# Altium PCB RFautoMaTE_ASCII.PcbDoc (part 2 of 2)
Units mm, origin at the board's own origin, x right, y up, seen from the top; angles counter-clockwise.
Board outline 126.62 x 342.77 mm, 2 copper layers (Top Layer, Bottom Layer); 303 components, 21 nets, 745 pads, 8 vias.
Unrouted connection lines stored in the file: 16.
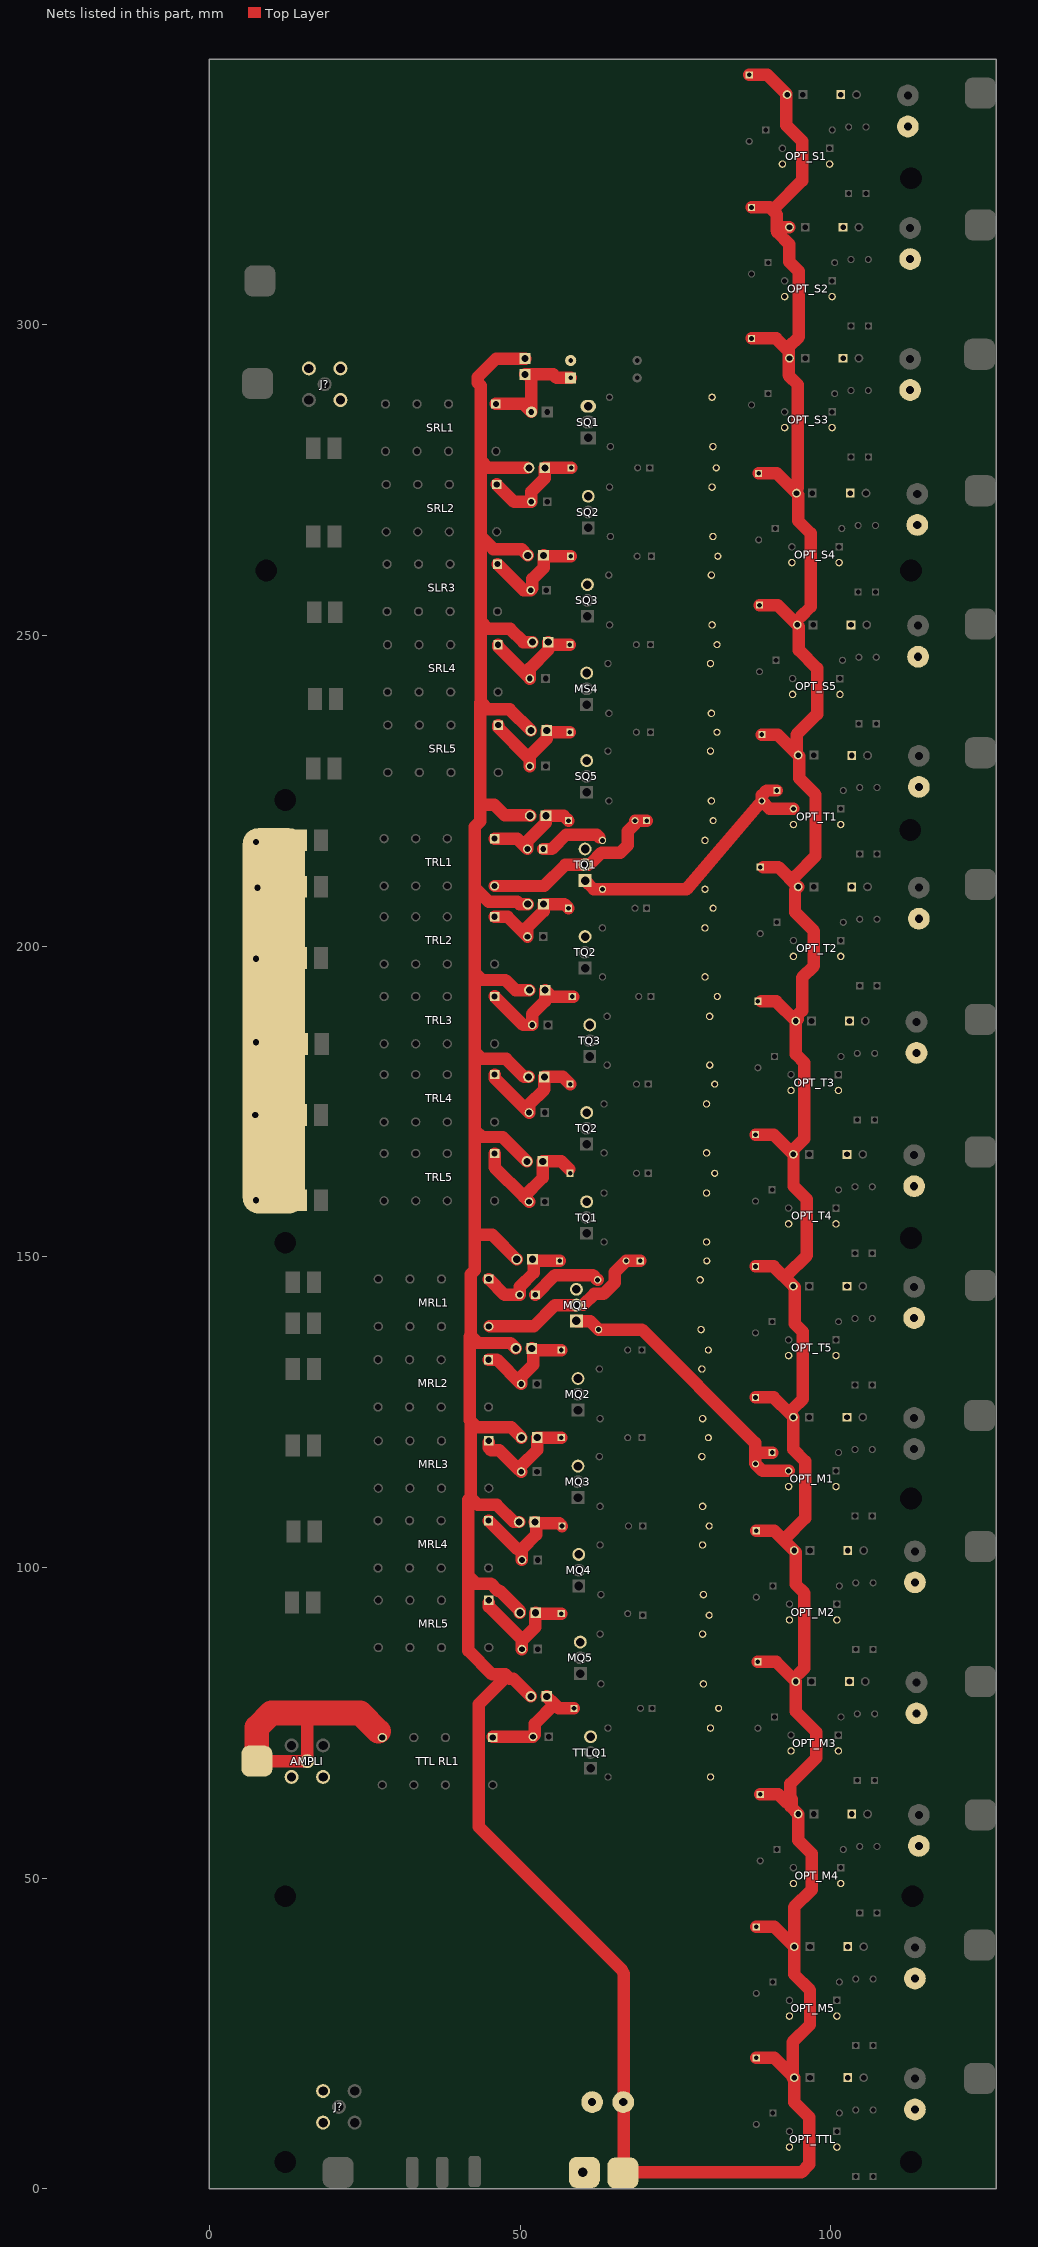
[diagram p2: the nets of this part, all layers, seen from the top]

## Via types
v1: diameter 2, hole 1, Top Layer to Bottom Layer, 6 vias
v2: diameter 4, hole 1.5, Top Layer to Bottom Layer, 2 vias

## Nets (pads, with @x,y where several pads share a name; then routed paths per layer and width w, separated by ;. In a path a pad name is that pad's centre, name@x,y a point inside that pad or via, vN(x,y) a via of type N, cw(c..) or ccw(c..) an arc to the next point about the centre after c; other vN are vias at no path point)
3,3V: 1.1 1.2 2.1 2.2 3.1 3.2 4.1 4.2 5.1 5.2 6.1 6.2 7.1 7.2 8.1 8.2 9.1 9.2 10.1 10.2 10K.1 11.1 11.2 12.1 12.2 13.1 13.2 13_1.1 13_1.2 "GND   5V.1" "LED tuning.2" "OPTO M1.2" "OPTO M2.2" "OPTO M3.2" "OPTO M4.2" "OPTO M5.2" "OPTO S1.2" "OPTO S2.2" "OPTO S3.2" "OPTO S4.2" "OPTO S5.2" "OPTO T1.2" "OPTO T2.2" "OPTO T3.2" "OPTO T4.2" "OPTO T5.2" "OPTO TTL.2" "TTL RL1.1" DM1.1 DM2.1 DM3.1 DM4.1 DM5.1 DMRL1.2 DMRL2.2 DMRL3.2 DMRL4.2 DS1.1 DS2.1 DS3.1 DS4.1 DS5.1 DSRL1.2 DSRL2.2 DSRL3.2 DSRL4.2 DSRL5.2 DT1.1 DT2.1 DT3.1 DT4.1 DT5.1 DTRL1.2 DTRL2.2 DTRL3.2 DTRL4.2 DTRL5.2 DTTL1.1 J2.1@50.8,294.565 J2.1@53.975,276.987 J2.2@50.8,292.025 J2.2@51.435,276.987 LEDmatching.2 MRL1.1 MRL2.1 MRL3.1 MRL4.1 MRL5.1 SLR3.1 SRL1.1 SRL2.1 SRL4.1 SRL5.1 T36_1.1 TRL1.1 TRL2.1 TRL3.1 TRL4.1 TRL5.1 | length 1236.5
  Top Layer w2: MRL4.1@44.912,107.552 49.467,102.997 50.292,102.997 ; MRL2.1@44.912,133.46 46.245,133.46 DMRL2.2@50.165,129.54 50.165,130.683 52.133,132.651 5.1@52.133,134.972 ; MRL5.1@44.958,94.361 44.958,93.726 50.292,88.392 50.292,88.265 ; MRL3.1@44.958,120.142 44.958,119.253 45.339,118.872 46.672,118.872 49.847,115.697 49.911,115.697 DMRL3.2@50.165,115.443 ; MRL1.1@44.958,146.431 47.498,143.891 DMRL1.2@49.911,143.891 49.911,145.161 52.197,147.447 52.197,149.415 52.26,149.352 DM1.1@56.356,149.352 ; 45.593,72.771 52.07,72.771 52.356,73.057 52.356,74.835 55.531,78.01 ; TRL5.1@45.893,166.641 45.893,164.419 50.609,159.702 ; TRL4.1@45.893,179.341 45.893,178.77 DTRL4.2@51.435,173.228 51.435,174.498 53.894,176.957 12.1@53.894,178.96 56.879,178.96 DT4.1@58.039,177.8 ; TRL3.1@45.893,191.914 50.482,187.325 DTRL3.2@51.943,187.325 51.943,189.088 54.021,191.167 11.1@54.021,192.93 55.054,191.897 DT3.1@58.38,191.897 DT3.1@58.547,191.897 ; TRL2.1@45.893,204.741 47.989,204.741 DTRL2.2@51.181,201.549 51.181,203.073 53.767,205.659 10.1@53.767,206.773 57.133,206.773 DT2.1@57.785,206.121 ; TRL1.1@45.893,217.314 49.513,217.314 DTRL1.2@51.181,215.646 51.181,216.916 54.148,219.883 9.1@54.148,220.997 57.006,220.997 DT1.1@57.785,220.218 ; SRL1.1@46.101,287.274 50.546,287.274 51.816,286.004 51.816,291.338 J2.2@51.181,291.973 ; SRL2.1@46.228,274.32 49.022,271.526 DSRL2.2@51.816,271.526 51.816,273.177 53.975,275.336 J2.1@53.975,276.987 ; SLR3.1@46.355,261.493 50.546,257.302 DSRL3.2@51.689,257.302 51.975,257.588 51.975,259.112 53.767,260.904 4.1@53.767,262.907 53.911,262.763 DS3.1@58.134,262.763 ; SRL4.1@46.436,248.522 46.436,248.204 DSRL4.2@51.562,243.078 51.562,244.729 54.529,247.696 1.1@54.529,248.937 54.927,248.539 DS4.1@58.007,248.539 ; SRL5.1@46.482,235.585 46.482,235.204 51.293,230.393 ; 47.244,82.55 47.244,81.915 43.307,77.978 43.307,58.293 66.468,35.132 ; 5.2@49.322,135.272 48.45,136.144 43.209,136.144 42.037,137.316 ; 3.2@49.449,149.623 45.529,153.543 42.672,153.543 ; 7.2@49.83,107.332 49.005,107.332 46.228,110.109 43.209,110.109 42.037,111.281 ; 8.2@49.957,92.727 49.957,93.009 46.669,96.298 46.392,96.298 45.281,97.409 42.926,97.409 41.656,98.679 ; 50.165,116.332 52.751,118.918 6.1@52.751,120.921 52.768,120.904 DM3.1@56.61,120.904 ; 6.2@50.211,120.921 48.577,122.555 43.082,122.555 42.037,123.6 ; LEDmatching.2@50.292,86.868 50.292,88.265 ; DMRL4.2@50.292,101.219 50.292,102.997 ; J2.2@50.8,292.025 55.32,292.025 55.88,291.465 DS1.1@58.134,291.465 ; J2.1@50.8,294.565 46.153,294.565 43.18,291.592 43.18,290.703 43.688,290.195 43.688,278.159 ; 13.2@51.1,165.371 47.18,169.291 43.844,169.291 42.672,170.463 ; J2.2@51.181,276.987 44.86,276.987 43.688,278.159 ; 10.2@51.227,206.773 49.894,206.773 49.53,207.137 44.958,207.137 42.672,209.423 ; 4.2@51.227,262.907 50.228,263.906 45.707,263.906 43.688,265.925 ; 12.2@51.354,178.96 50.656,178.96 47.752,181.864 43.844,181.864 42.672,183.036 ; DTRL5.2@51.435,158.877 50.609,159.702 ; 11.2@51.481,192.93 49.259,192.93 47.625,194.564 43.844,194.564 42.672,195.736 ; DSRL5.2@51.562,228.981 51.562,230.124 51.293,230.393 ; 9.2@51.608,220.997 51.498,221.107 47.498,221.107 45.847,222.758 43.561,222.758 ; 13_1.2@51.735,79.265 48.926,82.074 48.342,82.074 47.612,82.804 45.496,82.804 41.656,86.644 41.656,98.679 ; 2.2@51.735,234.713 48.323,238.125 44.86,238.125 43.688,239.297 ; 5.1@51.862,135.272 52.133,135.001 5.1@52.133,134.972 ; 1.2@51.989,248.937 50.529,248.937 48.387,251.079 44.86,251.079 43.688,252.251 ; 5.1@51.998,134.972 5.1@52.133,134.972 ; 7.1@52.37,107.332 7.1@52.578,107.124 ; J2.1@54.229,276.987 DS2.1@58.212,276.987 DS2.1@58.261,276.987 ; 13_1.1@54.275,79.265 55.531,78.01 ; DM5.1@56.61,92.583 52.641,92.583 8.1@52.497,92.727 52.451,92.681 52.451,90.424 50.292,88.265 ; DM2.1@56.61,135.001 56.581,134.972 5.1@52.133,134.972 ; DM4.1@56.737,106.68 56.292,107.124 7.1@52.578,107.124 ; 57.912,164.084 56.625,165.371 13.1@53.64,165.371 53.64,162.733 50.609,159.702 ; DS5.1@58.007,234.442 54.546,234.442 2.1@54.275,234.713 54.275,233.374 51.293,230.393 ; DTTL1.1@58.674,77.343 56.197,77.343 55.531,78.01 ; T36_1.1@66.675,2.667 95.25,2.667 96.52,3.937 96.52,11.557 94.107,13.97 94.107,17.907 ; T36_1.1@66.675,4.318 66.675,13.97 66.675,34.671 ; 10K.1@86.868,340.233 89.789,340.233 92.837,337.185 92.837,332.105 95.377,329.565 95.377,323.215 91.059,318.897 ; 10K.1@87.249,297.815 91.186,297.815 92.964,296.037 ; 10K.1@87.249,318.897 90.17,318.897 91.313,317.754 91.313,315.214 ; 10K.1@87.884,127.381 90.805,127.381 93.472,124.714 ; 10K.1@87.884,148.463 90.805,148.463 93.98,145.288 94.17,145.097 94.17,139.255 95.504,137.922 95.504,127.127 93.853,125.476 ; 10K.1@87.884,169.672 90.805,169.672 93.98,166.497 93.999,166.478 93.999,161.398 96.139,159.258 96.139,150.241 92.964,147.066 ; 10K.1@88.011,21.082 90.932,21.082 93.853,18.161 ; 10K.1@88.011,42.164 90.932,42.164 94.107,38.989 ; 10K.1@88.011,105.918 90.932,105.918 94.107,102.743 94.361,102.489 94.361,97.282 95.758,95.885 95.758,83.82 94.805,82.867 ; 10K.1@88.265,84.836 91.186,84.836 94.361,81.661 94.361,76.835 97.663,73.533 97.663,69.368 93.504,65.209 93.504,62.947 93.726,62.725 93.726,61.849 ; 10K.1@88.392,276.098 91.313,276.098 94.488,272.923 94.742,272.669 94.742,268.478 96.774,266.446 96.774,254.635 95.123,252.984 ; 10K.1@88.519,254.889 91.44,254.889 94.615,251.714 94.869,251.46 94.869,247.65 97.79,244.729 97.79,237.363 94.488,234.061 94.488,231.394 ; 10K.1@88.646,63.5 91.567,63.5 92.812,62.255 ; 10K.1@88.773,191.135 91.186,191.135 94.361,187.96 ; 10K.1@88.9,234.061 91.44,234.061 94.742,230.759 94.932,230.569 94.932,227.012 97.536,224.409 97.536,214.503 94.361,211.328 ; 10K.1@89.154,212.725 91.567,212.725 94.742,209.55 94.234,209.042 94.234,205.486 97.282,202.438 97.282,199.054 ; 91.383,314.909 93.345,312.947 93.345,310.134 94.869,308.61 94.869,298.069 93.218,296.418 93.218,291.973 ; 91.567,315.722 93.345,315.722 ; 92.71,104.775 95.885,107.95 95.885,117.094 93.98,118.999 93.98,124.206 ; 93.345,291.719 94.678,290.385 94.678,273.748 ; 93.472,61.595 94.742,60.325 94.742,56.134 96.901,53.975 96.901,48.133 94.107,45.339 94.107,38.989 ; 93.853,17.907 93.853,18.161 ; 93.98,18.034 93.853,18.161 ; 94.17,167.45 95.758,169.037 95.758,181.229 94.38,182.607 94.38,187.941 94.361,187.96 ; 97.282,198.755 97.282,196.85 95.377,194.945 95.377,189.625 94.647,188.895 94.647,188.246 94.361,187.96 ; 41.656,98.679 41.656,110.9 42.037,111.281 ; 42.037,111.281 42.037,123.6 ; 42.037,123.6 41.91,123.727 41.91,137.189 42.037,137.316 ; 42.037,137.316 42.037,147.193 42.672,147.828 42.672,153.543 ; 42.672,153.543 42.672,170.463 ; 42.672,170.463 42.672,183.036 ; 42.672,183.036 42.672,195.736 ; 42.672,195.736 42.672,209.423 ; 42.672,209.423 42.672,219.202 43.561,220.091 43.561,222.758 ; 43.561,222.758 43.561,239.17 43.688,239.297 ; 43.688,239.297 43.688,252.251 ; 43.688,252.251 43.688,265.925 ; 43.688,265.925 43.688,278.159 ; 50.292,102.997 52.578,105.283 7.1@52.578,107.124 ; 93.853,18.161 93.853,23.622 96.647,26.416 96.647,32.004 94.107,34.544 94.107,38.989
+COIL: 
Ampli: "TTL RL1.8" AMPLI.1 T39.1 | length 40.4
  Top Layer w2: T39.1@9.525,68.834 AMPLI.1@15.748,68.834 15.748,75.819
  Top Layer w4: T39.1@7.62,68.834 7.62,74.238 9.963,76.581 24.257,76.581 27.178,73.66
DC-GND: 
GND: 1K2M.2 1K2S.2 1k2T.2 1k2TTL.2 "GND   5V.2" "LED tuning?.1" "PWM M2.2" "PWM M3.2" "PWM M4.2" "PWM M5.2" "PWM S1.2" "PWM S2.2" "PWM S3.2" "PWM S4.2" "PWM S5.2" "PWM T1.2" "PWM T2.2" "PWM T3.2" "PWM T4.2" "PWM T5.2" "PWM TTL.2" AMPLI.2 AMPLI.3 CT1.1 CT2.1 CT3.1 CT4.1 CT5.1 DMQ1.2 DMQ2.2 DMQ3.2 DMQ4.2 DMQ5.2 DSQ1.2 DSQ2.2 DSQ3.2 DSQ4.2 DSQ5.2 DTQ1.2 DTQ2.2 DTQ3.2 DTQ4.2 DTQ5.2 DTTLQ1.2 J2.1@14.556,217.043 J?.3@21.082,287.909 J?.4 J?.5 M100K.1 MQ1.3 MQ2.3 MQ3.3 MQ4.3 MQ5.3 MS4.3 OPT_M1.2 OPT_M1.3 OPT_M2.2 OPT_M2.3 OPT_M3.2 OPT_M3.3 OPT_M4.2 OPT_M4.3 OPT_M5.2 OPT_M5.3 OPT_S1.2 OPT_S1.3 OPT_S2.2 OPT_S2.3 OPT_S3.2 OPT_S3.3 OPT_S4.2 OPT_S4.3 OPT_S5.2 OPT_S5.3 OPT_T1.2 OPT_T1.3 OPT_T2.2 OPT_T2.3 OPT_T3.2 OPT_T3.3 OPT_T4.2 OPT_T4.3 OPT_T5.2 OPT_T5.3 OPT_TTL.2 OPT_TTL.3 pad.8@112.776,218.694 pad.8@112.903,4.318 pad.8@112.903,111.125 pad.8@112.903,153.035 pad.8@112.903,260.477 pad.8@113.157,47.117 S100K.1 SQ1.3 SQ2.3 SQ3.3 SQ5.3 T17.1 T38.1 T100K.1 TQ1.3 TQ2.3 TQ3.3 TTL100K.1 TTLQ1.3
  other v1: 7.493,159.131 7.366,172.847 7.493,184.531 7.493,197.993 7.747,209.423 7.493,216.789
  other v2: 60.071,2.667
MQ1D: DM1.2 DMQ1.1 MQ1.2 MRL1.16 | length 28.5
  Top Layer w2: MRL1.16@45.085,138.811 52.197,138.811 55.613,142.227 59.042,142.227 MQ1.2@59.055,142.24 ; 60.139,142.253 61.936,144.05 63.418,144.05 65.237,145.869 65.237,147.533 DM1.2@67.056,149.352 DMQ1.1@69.342,149.352
Net1K2M_1: 1K2M.1@62.484,146.304 DMRL1.1 | length 11.7
  Top Layer w2: DMRL1.1@52.451,143.891 55.629,147.069 61.719,147.069 1K2M.1@62.484,146.304
Net1k2T_1: 1k2T.1@63.246,217.043 DTRL1.1 | length 10.1
  Top Layer w2: DTRL1.1@53.721,215.646 55.118,215.646 57.407,217.935 62.354,217.935 62.738,217.551
Net1k5M_1: 
Net1k5T_1: 
Net4K7M_1: 10K.2@87.884,116.681 510R.1@90.551,118.504 M100K.2@62.621,138.303 MQ1.1 OPT_M1.4 | length 48.5
  Top Layer w2: MQ1.1@59.055,139.7 59.09,139.665 61.259,139.665 M100K.2@62.621,138.303 69.596,138.303 87.82,120.078 87.82,116.776 89.027,115.57 OPT_M1.4@93.218,115.57 ; 88.125,118.504 510R.1@90.551,118.504
Net4K7T_1: 10K.2@88.9,223.361 510R.1@91.313,225.057 OPT_T1.4 T100K.2@63.256,209.169 TQ1.1@60.452,210.566 | length 44.6
  Top Layer w2: TQ1.1@60.452,210.566 61.849,209.169 T100K.2@63.256,209.169 76.581,209.169 ; 76.781,209.169 10K.2@88.9,223.361 ; 510R.1@91.313,225.057 89.675,225.057 88.9,224.282 10K.2@88.9,223.361 ; OPT_T1.4@93.98,222.123 90.138,222.123 10K.2@88.9,223.361
Net?_1: 
Net?_2: 
NetCM1_2: 
NetCM?_2: 
NetCT1_2: 
NetCT?_2: 
PWMMQ1: 
PWMTQ1: 
TQ1D: DT1.2 DTQ1.1 TQ1.2@60.452,213.106 TRL1.16 | length 30.4
  Top Layer w2: TRL1.16@45.893,209.694 53.865,209.694 57.264,213.093 60.439,213.093 60.465,213.119 60.973,213.119 cw(c62.152,211.504) 61.4,213.357 63.113,215.07 66.138,215.07 66.724,215.656 67.31,216.242 67.31,218.485 68.485,219.66 DT1.2@68.485,220.218 DTQ1.1@70.358,220.218
pads on no net: 1K2M.1@62.738,117.856 1K2M.1@62.738,131.953 1K2M.1@62.865,89.281 1K2M.1@62.865,103.632 1K2S.1 1k2T.1@63.5,160.274 1k2T.1@63.5,174.625 1k2T.1@63.246,202.946 1k2T.1@64.008,188.722 1k2TTL.1 10K.2@86.868,329.533 10K.2@87.249,287.115 10K.2@87.249,308.197 10K.2@87.884,137.763 10K.2@87.884,158.972 10K.2@88.011,10.382 10K.2@88.011,31.464 10K.2@88.011,95.218 10K.2@88.265,74.136 10K.2@88.265,180.435 10K.2@88.392,265.398 10K.2@88.519,244.189 10K.2@88.646,52.8 10K.2@88.646,202.025 510R.1@89.535,331.356 510R.1@89.916,288.938 510R.1@89.916,310.02 510R.1@90.551,139.586 510R.1@90.551,160.795 510R.1@90.678,12.205 510R.1@90.678,33.287 510R.1@90.678,97.041 510R.1@90.932,75.959 510R.1@90.932,182.258 510R.1@91.059,267.221 510R.1@91.186,246.012 510R.1@91.313,54.623 510R.1@91.313,203.848 510R.1@102.87,321.151 510R.1@103.251,278.733 510R.1@103.251,299.815 510R.1@103.886,108.299 510R.1@103.886,129.381 510R.1@103.886,150.59 510R.1@104.013,2 510R.1@104.013,23.082 510R.1@104.013,86.836 510R.1@104.267,65.754 510R.1@104.267,172.053 510R.1@104.394,257.016 510R.1@104.521,235.807 510R.1@104.648,44.418 510R.1@104.648,193.643 510R.1@104.648,214.852 510R.1@105.664,321.151 510R.1@106.045,278.733 510R.1@106.045,299.815 510R.1@106.68,108.299 510R.1@106.68,129.381 510R.1@106.68,150.59 510R.1@106.807,2 510R.1@106.807,23.082 510R.1@106.807,86.836 510R.1@107.061,65.754 510R.1@107.061,172.053 510R.1@107.188,257.016 510R.1@107.315,235.807 510R.1@107.442,44.418 510R.1@107.442,193.643 510R.1@107.442,214.852 510R.2 "LED tuning.1" "LED tuning?.2" "OPTO M1.1" "OPTO M2.1" "OPTO M3.1" "OPTO M4.1" "OPTO M5.1" "OPTO S1.1" "OPTO S2.1" "OPTO S3.1" "OPTO S4.1" "OPTO S5.1" "OPTO T1.1" "OPTO T2.1" "OPTO T3.1" "OPTO T4.1" "OPTO T5.1" "OPTO TTL.1" "PWM M1.1" "PWM M1.2" "PWM M2.1" "PWM M3.1" "PWM M4.1" "PWM M5.1" "PWM S1.1" "PWM S2.1" "PWM S3.1" "PWM S4.1" "PWM S5.1" "PWM T1.1" "PWM T2.1" "PWM T3.1" "PWM T4.1" "PWM T5.1" "PWM TTL.1" "TTL RL1.4" "TTL RL1.6" "TTL RL1.9" "TTL RL1.11" "TTL RL1.13" "TTL RL1.16" AMPLI.4 AMPLI.5 CM1.1 CM1.2 CM2.1 CM2.2 CM3.1 CM3.2 CM4.1 CM4.2 CM5.1 CM5.2 CS1.1 CS1.2 CS2.1 CS2.2 CS3.1 CS3.2 CS4.1 CS4.2 CS5.1 CS5.2 CT1.2 CT2.2 CT3.2 CT4.2 CT5.2 DM2.2 DM3.2 DM4.2 DM5.2 DMQ2.1 DMQ3.1 DMQ4.1 DMQ5.1 DMRL2.1 DMRL3.1 DMRL4.1 DS1.2 DS2.2 DS3.2 DS4.2 DS5.2 DSQ1.1 DSQ2.1 DSQ3.1 DSQ4.1 DSQ5.1 DSRL1.1 DSRL2.1 DSRL3.1 DSRL4.1 DSRL5.1 DT2.2 DT3.2 DT4.2 DT5.2 DTQ2.1 DTQ3.1 DTQ4.1 DTQ5.1 DTRL2.1 DTRL3.1 DTRL4.1 DTRL5.1 DTTL1.2 DTTLQ1.1 J2.1@13.413,145.923 J2.2@16.813,145.923 J2.2@17.956,217.043 J?.1 J?.2 J?.3@23.368,15.748 LEDmatching.1 M100K.2@62.875,109.855 M100K.2@62.875,123.952 M100K.2@63.002,81.28 M100K.2@63.002,95.631 MQ2.1 MQ2.2 MQ3.1 MQ3.2 MQ4.1 MQ4.2 MQ5.1 MQ5.2 MRL1.4 MRL1.6 MRL1.8 MRL1.9 MRL1.11 MRL1.13 MRL2.4 MRL2.6 MRL2.8 MRL2.9 MRL2.11 MRL2.13 MRL2.16 MRL3.4 MRL3.6 MRL3.8 MRL3.9 MRL3.11 MRL3.13 MRL3.16 MRL4.4 MRL4.6 MRL4.8 MRL4.9 MRL4.11 MRL4.13 MRL4.16 MRL5.4 MRL5.6 MRL5.8 MRL5.9 MRL5.11 MRL5.13 MRL5.16 MS4.1 MS4.2 OPT_M1.1 OPT_M2.1 OPT_M2.4 OPT_M3.1 OPT_M3.4 OPT_M4.1 OPT_M4.4 OPT_M5.1 OPT_M5.4 OPT_S1.1 OPT_S1.4 OPT_S2.1 OPT_S2.4 OPT_S3.1 OPT_S3.4 OPT_S4.1 OPT_S4.4 OPT_S5.1 OPT_S5.4 OPT_T1.1 OPT_T2.1 OPT_T2.4 OPT_T3.1 OPT_T3.4 OPT_T4.1 OPT_T4.4 OPT_T5.1 OPT_T5.4 OPT_TTL.1 OPT_TTL.4 S100K.2 SLR3.4 SLR3.6 SLR3.8 SLR3.9 SLR3.11 SLR3.13 SLR3.16 SQ1.1 SQ1.2 SQ2.1 SQ2.2 SQ3.1 SQ3.2 SQ5.1 SQ5.2 SRL1.4 SRL1.6 SRL1.8 SRL1.9 SRL1.11 SRL1.13 SRL1.16 SRL2.4 SRL2.6 SRL2.8 SRL2.9 SRL2.11 SRL2.13 SRL2.16 SRL4.4 SRL4.6 SRL4.8 SRL4.9 SRL4.11 SRL4.13 SRL4.16 SRL5.4 SRL5.6 SRL5.8 SRL5.9 SRL5.11 SRL5.13 SRL5.16 T19.1 T20.1 T21.1 T22.1 T23.1 T24.1 T25.1 T26.1 T27.1 T28.1 T29.1 T30.1 T31.1 T32.1 T33.1 T34.1 T35.1 T37.1 T39_1.1 T39_3.1 T39_4.1 T39_5.1 T100K.2@63.51,152.4 T100K.2@63.51,166.751 T100K.2@63.256,195.072 T100K.2@64.018,180.848 TQ1.1@60.706,153.797 TQ1.2@60.706,156.337 TQ2.1 TQ2.2 TQ3.1 TQ3.2 TRL1.4 TRL1.6 TRL1.8 TRL1.9 TRL1.11 TRL1.13 TRL2.4 TRL2.6 TRL2.8 TRL2.9 TRL2.11 TRL2.13 TRL2.16 TRL3.4 TRL3.6 TRL3.8 TRL3.9 TRL3.11 TRL3.13 TRL3.16 TRL4.4 TRL4.6 TRL4.8 TRL4.9 TRL4.11 TRL4.13 TRL4.16 TRL5.4 TRL5.6 TRL5.8 TRL5.9 TRL5.11 TRL5.13 TRL5.16 TTL100K.2 TTLQ1.1 TTLQ1.2
copper on no net: | length 3125.2
  Top Layer w2: 14.044,290.449 18.542,290.449 ; 20.828,9.525 20.828,13.208 ; 20.828,17.705 20.828,13.208 ; 21.082,26.035 26.035,21.082 26.035,19.431 26.035,14.224 25.019,13.208 20.828,13.208 ; 27.813,65.024 27.813,63.627 32.639,58.801 32.639,4.826 ; 32.893,65.024 32.893,62.865 37.465,58.293 37.465,4.445 ; 37.973,65.024 37.973,64.008 40.386,61.595 40.386,50.292 42.672,48.006 42.672,3.683 ; 44.912,99.932 45.945,99.932 47.325,98.552 54.991,98.552 55.994,99.555 59.423,99.555 59.436,99.568 ; 44.912,125.84 53.784,125.84 ; 44.958,112.776 47.117,112.776 48.15,111.743 53.784,111.743 ; 45.212,86.995 46.609,86.995 49.276,84.328 55.072,84.328 56.088,85.344 59.944,85.344 ; 45.593,65.024 46.355,65.024 50.038,68.707 56.261,68.707 56.515,68.961 57.772,70.218 58.153,70.218 61.328,70.218 61.341,70.231 61.354,70.244 62.161,70.244 64.18,72.263 65.856,72.263 69.374,75.781 69.374,77.343 71.247,77.343 ; 45.893,159.021 47.481,159.021 50.292,156.21 57.023,156.21 57.137,156.324 60.693,156.324 60.706,156.337 60.719,156.35 61.526,156.35 63.545,158.369 66.802,158.369 ; 45.893,171.721 47.989,171.721 48.006,171.704 50.038,169.672 55.626,169.672 56.629,170.675 57.518,170.675 60.693,170.675 60.706,170.688 60.719,170.701 61.526,170.701 63.367,172.542 63.418,172.593 66.548,172.593 ; 45.893,197.121 46.164,196.85 55.118,196.85 57.264,198.996 60.439,198.996 60.452,199.009 60.465,199.022 61.272,199.022 63.291,201.041 65.659,201.041 68.485,203.867 68.485,206.121 70.358,206.121 ; 46.101,184.404 57.658,184.404 58.026,184.772 61.201,184.772 61.214,184.785 61.227,184.798 61.989,184.798 63.956,186.765 68.075,186.765 69.247,187.937 69.247,191.897 ; 46.101,279.654 49.022,282.575 55.753,282.575 57.518,284.34 60.947,284.34 60.96,284.353 ; 46.228,266.573 54.149,266.573 57.437,269.862 60.947,269.862 60.96,269.875 60.973,269.888 61.671,269.888 63.404,271.622 ; 46.404,240.87 46.736,240.538 54.751,240.538 55.513,241.3 56.769,241.3 56.883,241.414 60.693,241.414 ; 46.482,227.965 48.359,227.965 51.534,224.79 53.594,224.79 54.737,224.79 57.264,227.317 60.693,227.317 60.706,227.33 60.719,227.343 61.417,227.343 63.277,229.204 ; 46.609,253.746 52.578,253.746 55.118,253.746 55.499,253.746 57.404,255.651 58.767,255.651 ; 52.705,115.443 54.102,115.443 57.28,118.621 61.973,118.621 62.738,117.856 ; 52.705,129.54 55.883,132.718 61.973,132.718 62.738,131.953 ; 52.832,86.868 54.737,86.868 59.179,91.31 60.836,91.31 62.42,89.725 ; 52.832,101.219 54.229,101.219 57.407,104.397 62.1,104.397 62.865,103.632 ; 53.721,201.549 55.118,201.549 57.407,203.838 62.354,203.838 62.738,203.454 ; 53.784,111.697 55.867,113.779 59.296,113.779 59.309,113.792 ; 53.784,125.793 55.867,127.876 59.296,127.876 59.309,127.889 ; 53.975,158.877 55.372,158.877 57.661,161.166 62.608,161.166 62.992,160.782 ; 53.975,173.228 55.372,173.228 57.661,175.517 62.608,175.517 62.992,175.133 ; 54.102,228.981 57.28,232.159 63.37,232.159 64.135,231.394 ; 54.102,243.078 57.28,246.256 63.37,246.256 64.135,245.491 ; 54.229,257.302 57.407,260.48 63.497,260.48 64.262,259.715 ; 54.356,271.526 57.534,274.704 63.624,274.704 64.389,273.939 ; 54.356,286.004 57.534,289.182 63.624,289.182 64.389,288.417 ; 54.483,187.325 55.88,187.325 58.169,189.614 63.116,189.614 63.5,189.23 ; 54.61,72.771 56.007,72.771 58.296,75.06 63.243,75.06 63.627,74.676 ; 59.055,255.651 60.833,255.651 ; 59.309,111.252 59.344,111.217 61.513,111.217 62.875,109.855 ; 59.309,125.349 59.344,125.314 61.513,125.314 62.875,123.952 69.977,123.952 76.581,117.348 76.581,103.124 82.763,96.942 88.011,96.942 ; 59.436,97.028 59.471,96.993 61.64,96.993 63.002,95.631 69.723,95.631 72.898,92.456 72.898,90.424 72.898,84.582 77.978,79.502 77.978,62.611 88.582,52.006 ; 59.722,85.471 59.722,85.484 60.401,85.484 62.038,87.122 65.63,87.122 66.802,88.294 66.802,92.075 ; 59.944,82.931 60.836,82.931 62.487,81.28 63.002,81.28 70.993,81.28 73.787,78.486 73.787,45.537 88.011,31.313 ; 60.393,113.805 62.19,115.602 63.672,115.602 65.491,117.421 65.491,119.085 67.31,120.904 69.596,120.904 ; 60.393,127.902 62.19,129.699 63.672,129.699 65.491,131.518 65.491,133.182 67.31,135.001 69.596,135.001 ; 60.452,196.469 61.849,195.072 76.2,195.072 78.994,197.866 84.836,197.866 87.693,200.724 ; 60.452,224.79 62.875,224.79 64.145,223.52 77.724,223.52 86.487,232.283 86.487,240.919 88.201,242.633 ; 60.52,99.581 62.317,101.378 63.799,101.378 65.618,103.197 65.618,104.861 67.437,106.68 69.723,106.68 ; 60.706,153.797 62.103,152.4 63.51,152.4 69.596,152.4 84.709,137.287 87.408,137.287 87.884,137.763 ; 60.706,168.148 62.103,166.751 70.485,166.751 79.438,157.797 88.646,157.797 ; 60.706,224.79 60.741,224.755 ; 60.706,238.887 60.741,238.852 62.91,238.852 64.272,237.49 77.597,237.49 85.852,245.745 85.852,261.62 88.074,263.842 ; 60.82,255.638 60.833,255.651 ; 60.833,253.111 60.868,253.076 63.037,253.076 64.018,252.095 67.691,252.095 78.486,262.89 78.486,267.335 85.979,274.828 85.979,284.705 87.151,285.877 92.329,285.877 ; 60.96,267.335 60.995,267.3 62.646,267.3 63.246,266.7 63.764,266.7 64.526,265.938 72.898,265.938 77.216,270.256 77.216,292.1 77.216,296.958 87.249,306.991 ; 60.96,281.813 60.995,281.778 63.164,281.778 64.526,280.416 64.135,280.416 72.009,288.29 72.009,310.261 86.868,325.12 ; 61.214,182.245 62.611,180.848 64.018,180.848 77.216,180.848 79.184,182.816 84.264,182.816 87.471,179.61 88.265,179.61 ; 61.341,67.691 63.441,65.59 69.723,59.309 69.723,41.529 73.279,37.973 84.582,26.67 84.582,21.209 88.011,17.78 88.011,10.382 ; 61.868,255.778 60.96,255.778 60.833,255.651 ; 62.03,284.407 63.786,286.163 65.323,286.163 67.142,287.982 67.142,289.773 68.834,291.465 68.834,294.259 ; 62.674,256.603 63.532,257.461 65.196,257.461 67.015,259.28 67.015,260.944 68.834,262.763 71.12,262.763 ; 62.875,109.871 69.961,109.871 74.041,105.791 74.041,96.52 76.327,94.234 76.327,88.138 88.011,76.454 ; 63.373,243.332 65.716,243.332 66.888,244.504 66.888,246.72 68.707,248.539 70.993,248.539 ; 63.587,229.14 65.069,229.14 66.888,230.959 66.888,232.623 68.707,234.442 70.993,234.442 ; 63.841,271.685 65.323,271.685 67.142,273.504 67.142,275.168 68.961,276.987 70.358,276.987 ; 66.762,172.807 68.739,174.784 68.739,177.8 70.612,177.8 ; 67.041,158.481 68.739,160.179 68.739,163.449 70.612,163.449 ; 67.437,92.329 69.723,92.329 ; 69.596,191.897 71.12,191.897 ; 86.868,325.374 86.868,330.835 87.389,331.356 89.535,331.356 ; 87.122,325.247 89.979,328.104 91.757,328.104 ; 87.249,287.115 87.249,288.417 87.77,288.938 89.916,288.938 ; 87.884,158.972 87.884,160.274 88.405,160.795 90.551,160.795 ; 88.011,31.464 88.855,31.464 90.678,33.287 ; 88.074,74.295 88.074,76.136 ; 88.265,180.435 88.265,181.737 88.786,182.258 90.932,182.258 ; 88.392,157.861 93.218,157.861 ; 88.392,265.398 88.392,266.7 88.913,267.221 91.059,267.221 ; 88.519,243.364 88.519,244.841 89.691,246.012 91.186,246.012 ; 88.646,30.988 89.281,30.353 93.345,30.353 ; 88.646,52.8 89.49,52.8 91.313,54.623 ; 88.646,202.025 88.646,203.327 89.167,203.848 91.313,203.848 ; 88.773,179.399 93.218,179.399 ; 88.9,242.951 93.599,242.951 ; 89.027,264.287 93.472,264.287 ; 89.154,51.689 93.98,51.689 ; 89.408,200.914 93.726,200.914 ; 89.916,310.02 87.77,310.02 87.249,309.499 87.249,308.197 87.249,306.991 ; 90.551,139.586 88.405,139.586 87.884,139.065 87.884,137.763 ; 90.678,12.205 89.834,12.205 88.011,10.382 ; 90.678,97.041 88.532,97.041 88.011,96.52 88.011,95.218 89.122,94.107 93.345,94.107 ; 90.932,75.959 89.109,74.136 88.265,74.136 89.376,73.025 93.599,73.025 ; 92.202,306.991 87.249,306.991 ; 93.218,136.652 92.964,136.906 88.741,136.906 87.884,137.763 ; 93.345,9.271 89.122,9.271 88.011,10.382 ; 95.504,337.058 95.504,336.087 100.235,331.356 ; 95.885,294.64 95.885,293.669 100.616,288.938 ; 95.885,315.722 95.885,314.751 100.616,310.02 ; 96.52,124.206 96.52,123.235 101.251,118.504 ; 96.52,145.288 96.52,144.317 101.251,139.586 ; 96.52,166.497 96.52,165.526 101.251,160.795 ; 96.647,17.907 96.647,16.936 101.378,12.205 ; 96.647,38.989 96.647,38.018 101.378,33.287 ; 96.647,102.743 96.647,101.772 101.378,97.041 ; 96.901,81.661 96.901,80.69 101.632,75.959 ; 96.901,187.96 96.901,186.989 101.632,182.258 ; 97.028,272.923 97.028,271.952 101.759,267.221 ; 97.155,251.714 97.155,250.743 101.886,246.012 ; 97.282,60.325 97.282,59.354 102.013,54.623 ; 97.282,209.55 97.282,208.579 102.013,203.848 ; 97.282,230.759 97.282,229.788 102.013,225.057 ; 99.822,328.422 101.346,328.422 102.87,329.946 ; 100.203,286.004 101.727,286.004 103.251,287.528 ; 100.203,307.086 101.727,307.086 103.251,308.61 ; 100.838,115.57 102.362,115.57 103.886,117.094 ; 100.838,136.652 102.362,136.652 103.886,138.176 ; 100.838,157.861 102.362,157.861 103.886,159.385 ; 100.965,9.271 102.489,9.271 104.013,10.795 ; 100.965,30.353 101.981,30.353 104.013,32.385 ; 100.965,94.107 102.489,94.107 104.013,95.631 ; 101.219,73.025 102.235,73.025 104.267,75.057 ; 101.219,179.324 102.743,179.324 104.267,180.848 ; 101.346,264.287 102.87,264.287 104.394,265.811 ; 101.473,243.078 102.997,243.078 104.521,244.602 ; 101.6,51.689 102.616,51.689 104.648,53.721 ; 101.6,200.914 103.124,200.914 104.648,202.438 ; 101.6,222.123 103.124,222.123 104.648,223.647 ; 102.87,321.151 105.664,321.151 105.664,327.406 ; 102.87,330.127 102.87,331.851 ; 103.251,278.733 106.045,278.733 106.045,284.988 ; 103.251,287.709 103.251,289.433 ; 103.251,299.815 106.045,299.815 106.045,306.07 ; 103.251,308.791 103.251,310.515 ; 103.886,108.299 106.68,108.299 106.68,114.554 ; 103.886,117.275 103.886,118.999 ; 103.886,129.381 106.68,129.381 106.68,135.636 ; 103.886,138.357 103.886,140.081 ; 103.886,150.59 106.68,150.59 106.68,156.845 ; 103.886,159.566 103.886,161.29 ; 104.013,2 106.807,2 106.807,9.144 109.728,12.065 109.728,13.458 109.728,14.224 113.284,17.78 113.538,17.78 123.952,17.78 ; 104.013,10.976 104.013,12.7 ; 104.013,23.082 106.807,23.082 106.807,30.607 107.823,31.623 109.093,31.623 109.601,32.131 109.601,36.195 112.268,38.862 113.538,38.862 ; 104.013,32.857 104.013,33.782 ; 104.013,86.836 106.807,86.836 106.807,93.091 106.807,94.107 109.093,96.393 109.093,100.965 110.744,102.616 113.538,102.616 ; 104.013,95.812 104.013,97.536 ; 104.14,337.058 104.14,335.534 105.664,334.01 105.664,331.851 ; 104.267,65.754 107.061,65.754 ; 104.267,75.529 104.267,76.454 ; 104.267,172.053 107.061,172.053 107.061,178.308 ; 104.267,181.029 104.267,182.753 ; 104.394,257.016 107.188,257.016 107.188,263.271 ; 104.394,265.992 104.394,267.716 ; 104.521,235.807 107.315,235.807 107.315,242.062 ; 104.521,244.783 104.521,246.507 ; 104.521,294.64 104.521,293.116 106.045,291.592 106.045,289.433 ; 104.521,315.722 104.521,314.198 106.045,312.674 106.045,310.515 ; 104.648,44.418 107.442,44.418 107.632,44.609 107.632,52.133 108.458,52.959 109.728,52.959 110.236,53.467 110.236,57.531 112.903,60.198 114.173,60.198 124.079,60.198 ; 104.648,54.193 104.648,55.118 ; 104.648,193.643 107.442,193.643 107.442,199.898 ; 104.648,202.619 104.648,204.343 ; 104.648,214.852 107.442,214.852 107.442,221.107 ; 104.648,223.828 104.648,225.552 ; 105.156,124.206 105.156,122.682 106.68,121.158 106.68,118.999 ; 105.156,145.288 105.156,143.764 106.68,142.24 106.68,140.081 ; 105.156,166.497 105.156,164.973 106.68,163.449 106.68,161.29 ; 105.283,17.907 105.283,16.383 106.807,14.859 106.807,12.7 ; 105.283,38.989 105.283,38.735 106.807,37.211 106.807,33.782 ; 105.283,102.743 105.283,101.219 106.807,99.695 106.807,97.536 ; 105.537,81.661 105.537,81.407 107.061,79.883 107.061,76.454 ; 105.537,187.96 105.537,186.436 107.061,184.912 107.061,182.753 ; 105.664,272.923 105.664,271.399 107.188,269.875 107.188,267.716 ; 105.664,327.787 105.664,328.168 108.077,330.581 108.077,335.026 109.982,336.931 112.395,336.931 ; 105.791,251.714 105.791,250.19 107.315,248.666 107.315,246.507 ; 105.918,60.325 105.918,60.071 107.442,58.547 107.442,55.118 ; 105.918,209.55 105.918,208.026 107.442,206.502 107.442,204.343 ; 105.918,230.759 105.918,229.235 107.442,227.711 107.442,225.552 ; 106.045,285.369 106.045,285.75 108.458,288.163 108.458,292.608 110.363,294.513 112.776,294.513 ; 106.045,306.451 106.045,306.832 108.458,309.245 108.458,313.69 110.363,315.595 112.776,315.595 ; 106.68,114.935 106.68,115.316 109.093,117.729 109.093,122.174 110.998,124.079 113.411,124.079 ; 106.68,136.017 106.68,136.398 109.093,138.811 109.093,143.256 110.998,145.161 113.411,145.161 ; 106.68,157.226 106.68,157.607 109.093,160.02 109.093,164.465 110.998,166.37 113.411,166.37 ; 106.997,66.04 106.997,73.215 108.077,74.295 109.347,74.295 109.855,74.803 109.855,78.867 112.522,81.534 113.792,81.534 ; 107.061,178.689 107.061,179.07 109.474,181.483 109.474,185.928 111.379,187.833 113.792,187.833 ; 107.188,263.652 107.188,264.033 109.601,266.446 109.601,270.891 111.506,272.796 113.919,272.796 ; 107.315,242.443 107.315,242.824 109.728,245.237 109.728,249.682 111.633,251.587 114.046,251.587 ; 107.442,200.279 107.442,200.66 109.855,203.073 109.855,207.518 111.76,209.423 114.173,209.423 ; 107.442,221.488 107.442,221.869 109.855,224.282 109.855,228.727 111.76,230.632 114.173,230.632 ; 112.395,337.185 123.444,337.185 ; 112.776,295.021 123.825,295.021 ; 112.776,315.849 124.333,315.849 ; 113.411,102.87 124.206,102.87 ; 113.411,124.206 123.952,124.206 ; 113.411,145.288 124.079,145.288 ; 113.411,166.624 124.079,166.624 ; 113.538,38.989 123.952,38.989 ; 113.665,81.661 124.079,81.661 ; 113.792,188.087 124.079,188.087 ; 114.046,251.714 121.92,251.714 ; 114.046,273.177 124.079,273.177 ; 114.173,209.804 123.952,209.804 ; 114.173,230.886 124.079,230.886 ; 60.693,241.414 60.706,241.427 ; 60.693,241.414 60.706,241.427 ; 60.706,241.427 60.719,241.44 61.417,241.44 ; 60.833,255.651 61.087,255.651 60.833,255.651 ; 61.417,241.44 63.181,243.205 61.417,241.44
  Top Layer w4: 8.001,290.576 13.081,290.576 ; 12.065,289.814 12.065,286.131 15.875,282.321 15.875,265.938 15.875,253.873 15.875,229.235 16.002,229.108 ; 12.382,93.345 12.382,87.694 16.764,83.312 36.068,83.312 38.544,80.835 38.544,72.644 ; 12.573,94.615 12.573,105.791 12.573,119.634 12.573,131.826 12.573,144.399 ; 17.653,139.446 26.543,139.446 27.178,138.811 ; 17.653,146.177 19.304,146.177 26.162,153.035 36.322,153.035 ; 17.78,94.742 27.178,94.742 27.178,88.011 ; 17.78,119.744 26.526,119.744 27.178,120.396 27.178,112.776 ; 17.78,131.936 25.608,131.936 ; 17.907,106.028 26.751,106.028 27.132,106.409 27.132,99.932 ; 18.796,217.233 19.113,217.233 22.034,217.233 26.289,221.488 36.011,221.488 ; 18.923,159.258 27.478,159.258 28.113,159.893 28.113,165.735 ; 18.923,172.864 28.113,172.864 28.113,178.198 ; 18.923,184.294 28.113,184.294 28.113,191.914 ; 18.923,198.755 26.479,198.755 ; 19.05,209.694 28.113,209.694 ; 20.701,2.667 20.701,8.255 ; 20.701,18.542 20.701,22.733 20.701,29.718 22.86,31.877 22.86,66.04 25.781,68.961 30.861,68.961 33.02,71.12 33.02,71.501 ; 21.463,279.563 21.372,279.654 28.321,279.654 28.829,280.162 28.829,286.766 ; 21.59,265.938 27.686,265.938 28.448,266.7 ; 21.717,228.6 22.352,227.965 28.702,227.965 ; 21.844,253.873 28.575,253.873 28.575,261.493 ; 22.169,239.776 27.53,239.776 28.656,240.902 28.656,247.379 ; 27.178,139.7 27.178,145.288 ; 27.381,126.746 27.381,132.715 ; 28.067,198.374 28.113,198.42 28.113,204.741 ; 28.113,210.837 28.113,216.171 ; 28.275,266.937 28.275,273.414 ; 28.702,228.854 28.702,235.585 ; 37.465,88.138 37.465,99.932 37.465,112.776 37.465,120.396 37.465,133.46 37.465,145.415 ; 38.227,146.812 38.227,158.975 38.273,159.021 38.227,159.067 38.227,166.595 38.273,166.641 ; 38.273,209.694 38.354,209.775 38.354,217.233 ; 38.273,217.314 38.354,217.395 38.354,227.457 ; 38.354,166.641 38.354,171.721 38.354,179.341 38.354,184.294 38.354,191.914 38.354,204.741 38.354,209.694 ; 38.481,235.585 38.481,240.902 38.481,248.522 38.481,253.873 38.481,261.493 38.481,266.7 38.481,279.654 38.481,287.274 ; 38.544,228.283 38.544,235.267
  other v2: 8.128,307.086

## Polygon pours and split planes (outlines as drawn)
GND on Bottom Layer "GND_L02_P067" (solid, remove dead copper, pour order 67): 10.541,61.341 11.303,62.103 11.303,66.675 19.558,66.675 19.685,66.802 19.685,56.134 18.288,56.134 12.827,50.673 3.937,59.563 3.937,61.341
GND on Bottom Layer "GND_L02_P066" (solid, remove dead copper, pour order 66): 0.127,156.337 0,156.21 0,0 16.764,0 16.51,0 16.51,0.508 16.51,4.699 18.034,9.525 18.253,16.418 16.51,18.161 13.208,18.161 13.208,61.341 3.937,61.341 3.937,156.337 4.064,156.464
GND on Bottom Layer "GND_L02_P065" (solid, remove dead copper, pour order 65): 8.509,153.797 15.24,165.227 11.342,260.096 5.08,260.096 5.08,278.13 4.572,278.638 4.699,278.765 4.699,295.275 12.319,295.275 14.605,292.989 20.51,293.56 20.51,284.607 24.384,284.607 24.384,287.528 27.305,290.449 45.466,290.449 45.466,342.646 45.593,342.773 0,342.773 0,153.797
GND on Bottom Layer "GND_L02_P000" (solid, remove dead copper, pour order 0): 44.196,342.519 125.095,342.519 125.095,0.312 44.196,0.312

## Silkscreen, mask and mechanical layers (free items; w line width, h text height)
Top Overlay:
  lines w0.254: 59.804,149.352 59.817,149.352 60.579,148.59 60.579,150.127 ; 59.931,107.442 59.944,107.442 ; 60.058,120.904 60.071,120.904 60.833,120.142 60.833,121.679 ; 60.058,135.001 60.071,135.001 60.833,134.239 60.833,135.776 ; 60.185,92.329 60.198,92.329 60.96,91.567 60.96,93.104 ; 60.198,106.68 60.96,105.918 60.96,107.455 ; 61.455,234.442 61.468,234.442 62.23,233.68 62.23,235.217 ; 61.455,248.539 61.468,248.539 62.23,247.777 62.23,249.314 ; 61.582,262.763 61.595,262.763 62.357,262.001 62.357,263.538 ; 61.595,206.121 62.357,205.359 62.357,206.896 ; 61.595,220.218 62.357,219.456 62.357,220.993 ; 61.709,276.987 61.722,276.987 62.484,276.225 62.484,277.762 ; 61.709,291.465 61.722,291.465 62.484,290.703 62.484,292.24 ; 61.849,163.449 62.611,162.687 62.611,164.224 ; 61.849,177.8 62.611,177.038 62.611,178.575 ; 62.357,191.897 63.119,191.135 63.119,192.672 ; 62.484,77.343 63.246,76.581 63.246,78.118 ; 72.79,149.352 72.79,149.333 73.533,148.59 73.533,150.095 ; 72.917,107.423 72.917,107.442 ; 73.044,120.904 73.044,120.885 73.787,120.142 73.787,121.647 ; 73.044,135.001 73.044,134.982 73.787,134.239 73.787,135.744 ; 73.171,92.329 73.171,92.31 73.914,91.567 73.914,93.072 ; 73.171,106.661 73.914,105.918 73.914,107.423 ; 74.028,206.121 74.748,205.401 74.748,206.756 ; 74.028,220.218 74.748,219.498 74.748,220.853 ; 74.282,163.449 75.002,162.729 75.002,164.084 ; 74.282,177.8 75.002,177.08 75.002,178.435 ; 74.441,234.442 74.441,234.423 75.184,233.68 75.184,235.185 ; 74.441,248.539 74.441,248.52 75.184,247.777 75.184,249.282 ; 74.568,262.763 74.568,262.744 75.311,262.001 75.311,263.506 ; 74.695,276.987 74.695,276.968 75.438,276.225 75.438,277.73 ; 74.79,191.897 75.51,191.177 75.51,192.532 ; 74.917,77.343 75.637,76.623 75.637,77.978 ; 0,0 0,342.773 126.619,342.773 126.619,0 0,0
  text "PWM S1" at 117.983,341.011 h1.52
  text "RUBEN BOSCH ESTEVE" at 7.366,339.471 h1.52
  text "02/04/2024" at 13.716,337.058 h1
  text "GND" at 118.999,330.454 h1.52 r90
  text "A" at 101.092,328.93 h1
  text "C" at 90.551,328.422 h1
  text "E" at 91.694,323.342 h1
  text "K" at 99.949,323.088 h1
  text "PWM S2" at 115.062,320.691 h1.52
  text "+  -" at 91.694,319.786 h1.52
  text "+  -" at 106.299,312.928 h1.52 r180
  text "GND" at 11.684,308.864 h1.52 r270
  text "GND" at 119.507,308.864 h1.52 r90
  text "A" at 101.346,307.721 h1
  text "C" at 90.424,306.705 h1
  text "E" at 92.075,302.006 h1
  text "K" at 100.203,301.879 h1
  text "PWM S3" at 115.062,300.244 h1.52
  text "+  -" at 92.202,298.704 h1.52
  text "J1" at 49.484,296.589 h1.52
  text "COIL" at 5.715,294.005 h1.52
  text "+  -" at 106.299,291.846 h1.52 r180
  text "GND" at 119.38,288.163 h1.52 r90
  text "A" at 101.473,286.512 h1
  text "C" at 90.551,285.369 h1
  text "E" at 91.948,280.67 h1
  text "K" at 100.076,280.67 h1
  text "PWM S4" at 116.205,277.892 h1.52
  text "+  -" at 107.569,277.622 h1.52 r180
  text "+  -" at 92.329,276.86 h1.52
  text "J2" at 49.276,275.336 h1.52 r90
  text "GND" at 120.396,266.446 h1.52 r90
  text "A" at 102.616,264.922 h1
  text "C" at 91.948,264.033 h1
  text "J3" at 46.482,263.271 h1.52
  text "E" at 91.821,260.604 h1
  text "K" at 101.6,259.207 h1
  text "PWM S5" at 116.332,256.302 h1.52
  text "+  -" at 107.315,256.032 h1.52 r180
  text "+  -" at 93.218,255.651 h1.52
  text "J4" at 49.784,247.523 h1.52 r90
  text "GND" at 120.65,245.237 h1.52 r90
  text "A" at 102.743,243.586 h1
  text "C" at 91.948,242.824 h1
  text "K" at 101.727,237.871 h1
  text "E" at 93.472,237.744 h1
  text "PWM T1" at 116.713,235.585 h1.52
  text "+  -" at 93.599,234.696 h1.52
  text "J5" at 49.53,232.918 h1.52 r90
  text "+  -" at 107.823,227.965 h1.52 r180
  text "GND" at 120.904,224.409 h1.52 r90
  text "A" at 102.997,222.758 h1
  text "C" at 91.948,221.869 h1
  text "CT FIX" at 27.051,221.107 h1.52
  text "RF GND" at 8.001,220.98 h2.5 r90
  text "J6" at 46.69,220.77 h1.52
  text "E" at 91.948,218.186 h1
  text "K" at 101.727,217.043 h1
  text "PWM T2" at 116.713,214.122 h1.52
  text "+  -" at 93.726,213.614 h1.52
  text "+  -" at 107.696,206.883 h1.52 r180
  text "J7" at 46.736,206.375 h1.52
  text "GND" at 120.65,203.327 h1.52 r90
  text "A" at 102.997,201.295 h1
  text "C" at 91.948,200.66 h1
  text "K" at 101.981,195.707 h1
  text "E" at 92.837,195.58 h1
  text "J8" at 46.863,193.548 h1.52
  text "PWM T3" at 115.951,192.548 h1.52
  text "+  -" at 107.188,192.418 h1.52 r180
  text "+  -" at 92.71,192.024 h1.52
  text "GND" at 120.269,181.737 h1.52 r90
  text "A" at 102.489,179.324 h1
  text "C" at 91.821,179.07 h1
  text "J9" at 49.276,177.165 h1.52 r90
  text "E" at 91.821,175.006 h1
  text "K" at 101.346,174.117 h1
  text "PWM T4" at 115.951,171.069 h1.52
  text "+  -" at 92.837,170.434 h1.52
  text "-" at 63.643,164.151 h1.52
  text "+  -" at 106.68,163.83 h1.52 r180
  text "J10" at 47.625,161.798 h1.52
  text "GND" at 120.142,160.02 h1.52 r90
  text "A" at 102.108,158.242 h1
  text "C" at 91.44,157.48 h1
  text "E" at 91.313,153.924 h1
  text "K" at 101.473,152.654 h1
  text "J11" at 44.958,151.638 h1.52
  text "PWM T5" at 115.951,149.876 h1.52
  text "+  -" at 92.964,149.225 h1.52
  text "CM FIX" at 22.733,143.637 h1.52 r90
  text "+  -" at 106.934,142.494 h1.52 r180
  text "GND" at 120.142,138.811 h1.52 r90
  text "A" at 101.981,136.779 h1
  text "C" at 91.059,136.271 h1
  text "J12" at 43.053,135.382 h1.52
  text "E" at 92.456,131.445 h1
  text "K" at 100.711,131.445 h1
  text "PWM M1" at 116.078,128.651 h1.52
  text "+  -" at 92.71,128.143 h1.52
  text "J13" at 44.531,122.091 h1.52
  text "+  -" at 106.553,121.539 h1.52 r180
  text "GND" at 120.015,117.983 h1.52 r90
  text "A" at 102.108,116.078 h1
  text "C" at 91.44,115.697 h1
  text "E" at 91.313,112.268 h1
  text "K" at 101.727,111.379 h1
  text "J14" at 43.815,109.347 h1
  text "+  -" at 106.934,107.442 h1.52 r180
  text "PWM M2" at 116.205,107.315 h1.52
  text "+  -" at 92.583,106.68 h1.52
  text "GND" at 120.015,96.393 h1.52 r90
  text "A" at 102.489,94.742 h1
  text "C" at 91.567,93.726 h1
  text "E" at 91.44,90.805 h1
  text "J15" at 47.117,89.789 h1
  text "K" at 101.346,89.027 h1
  text "PWM M3" at 116.459,86.249 h1.52
  text "+  -" at 93.345,85.598 h1.52
  text "DMRL5" at 48.006,81.915 h1.52
  text "+  -" at 107.061,78.867 h1.52 r180
  text "J16" at 45.466,78.359 h1.52
  text "GND" at 120.269,75.311 h1.52 r90
  text "A" at 102.616,73.533 h1
  text "RF OUT" at 9.017,72.771 h1.52 r90
  text "C" at 91.313,72.771 h1
  text "E" at 91.694,68.834 h1
  text "+  -" at 50.228,68.199 h1.52
  text "K" at 101.219,67.691 h1
  text "DTTL5" at 49.53,66.04 h1.52
  text "PWM M4" at 116.459,65.024 h1.52
  text "+  -" at 93.218,64.389 h1.52
  text "+  -" at 107.569,57.404 h1.52 r180
  text "GND" at 120.777,53.848 h1.52 r90
  text "A" at 102.87,51.689 h1
  text "C" at 92.202,51.435 h1
  text "E" at 92.202,48.006 h1
  text "K" at 101.6,46.228 h1
  text "PWM M5" at 116.713,43.577 h1.52
  text "+  -" at 91.821,43.053 h1.52
  text "+  -" at 106.807,36.322 h1.52 r180
  text "GND" at 120.269,32.131 h1.52 r90
  text "A" at 101.981,30.353 h1
  text "C" at 91.186,29.972 h1
  text "E" at 91.567,25.781 h1
  text "K" at 101.219,25.781 h1
  text "PWM TTL" at 116.713,22.225 h1.52
  text "+  -" at 91.948,21.971 h1.52
  text "+  -" at 107.061,15.113 h1.52 r180
  text "GND" at 120.142,11.049 h1.52 r90
  text "VNA" at 9.398,10.668 h1.52
  text "NC" at 31.242,10.414 h1.52
  text "A" at 101.981,9.144 h1
  text "C" at 91.313,9.017 h1
  text "NO" at 36.83,7.747 h1.52
  text "COM" at 42.418,7.493 h1.52
  text "K" at 100.838,4.064 h1
  text "E" at 93.091,3.683 h1
  text "GND" at 52.705,0.762 h1.52
Bottom Overlay:
  lines w0.254: 59.804,149.352 59.817,149.352 60.579,148.59 60.579,150.127 ; 59.931,107.442 59.944,107.442 ; 60.058,120.904 60.071,120.904 60.833,120.142 60.833,121.679 ; 60.058,135.001 60.071,135.001 60.833,134.239 60.833,135.776 ; 60.185,92.329 60.198,92.329 60.96,91.567 60.96,93.104 ; 60.198,106.68 60.96,105.918 60.96,107.455 ; 61.455,234.442 61.468,234.442 62.23,233.68 62.23,235.217 ; 61.455,248.539 61.468,248.539 62.23,247.777 62.23,249.314 ; 61.582,262.763 61.595,262.763 62.357,262.001 62.357,263.538 ; 61.595,206.121 62.357,205.359 62.357,206.896 ; 61.595,220.218 62.357,219.456 62.357,220.993 ; 61.709,276.987 61.722,276.987 62.484,276.225 62.484,277.762 ; 61.709,291.465 61.722,291.465 62.484,290.703 62.484,292.24 ; 61.849,163.449 62.611,162.687 62.611,164.224 ; 61.849,177.8 62.611,177.038 62.611,178.575 ; 62.357,191.897 63.119,191.135 63.119,192.672 ; 62.484,77.343 63.246,76.581 63.246,78.118 ; 72.79,149.352 72.79,149.333 73.533,148.59 73.533,150.095 ; 72.917,107.423 72.917,107.442 ; 73.044,120.904 73.044,120.885 73.787,120.142 73.787,121.647 ; 73.044,135.001 73.044,134.982 73.787,134.239 73.787,135.744 ; 73.171,92.329 73.171,92.31 73.914,91.567 73.914,93.072 ; 73.171,106.661 73.914,105.918 73.914,107.423 ; 74.028,206.121 74.748,205.401 74.748,206.756 ; 74.028,220.218 74.748,219.498 74.748,220.853 ; 74.282,163.449 75.002,162.729 75.002,164.084 ; 74.282,177.8 75.002,177.08 75.002,178.435 ; 74.441,234.442 74.441,234.423 75.184,233.68 75.184,235.185 ; 74.441,248.539 74.441,248.52 75.184,247.777 75.184,249.282 ; 74.568,262.763 74.568,262.744 75.311,262.001 75.311,263.506 ; 74.695,276.987 74.695,276.968 75.438,276.225 75.438,277.73 ; 74.79,191.897 75.51,191.177 75.51,192.532 ; 74.917,77.343 75.637,76.623 75.637,77.978
  text "GND" at 11.43,305.181 h1.52 r270
  text "CT FIX" at 35.43,221.107 h1.52
  text "RF GND" at 11.866,203.494 h2.5 r90
  text "-" at 63.643,164.151 h1.52
  text "CM FIX" at 22.606,152.273 h1.52 r90
  text "AMPLI" at 21.717,75.184 h1.52
  text "VNA" at 13.335,12.192 h1.52 r180

## Text inside footprints (layer, text, board x,y; h text height)
SLR3: Mechanical 1 "GND" at 56.768,0.762 h1.52